# Allegro board SDHCalFEB20180110.brd (continued)
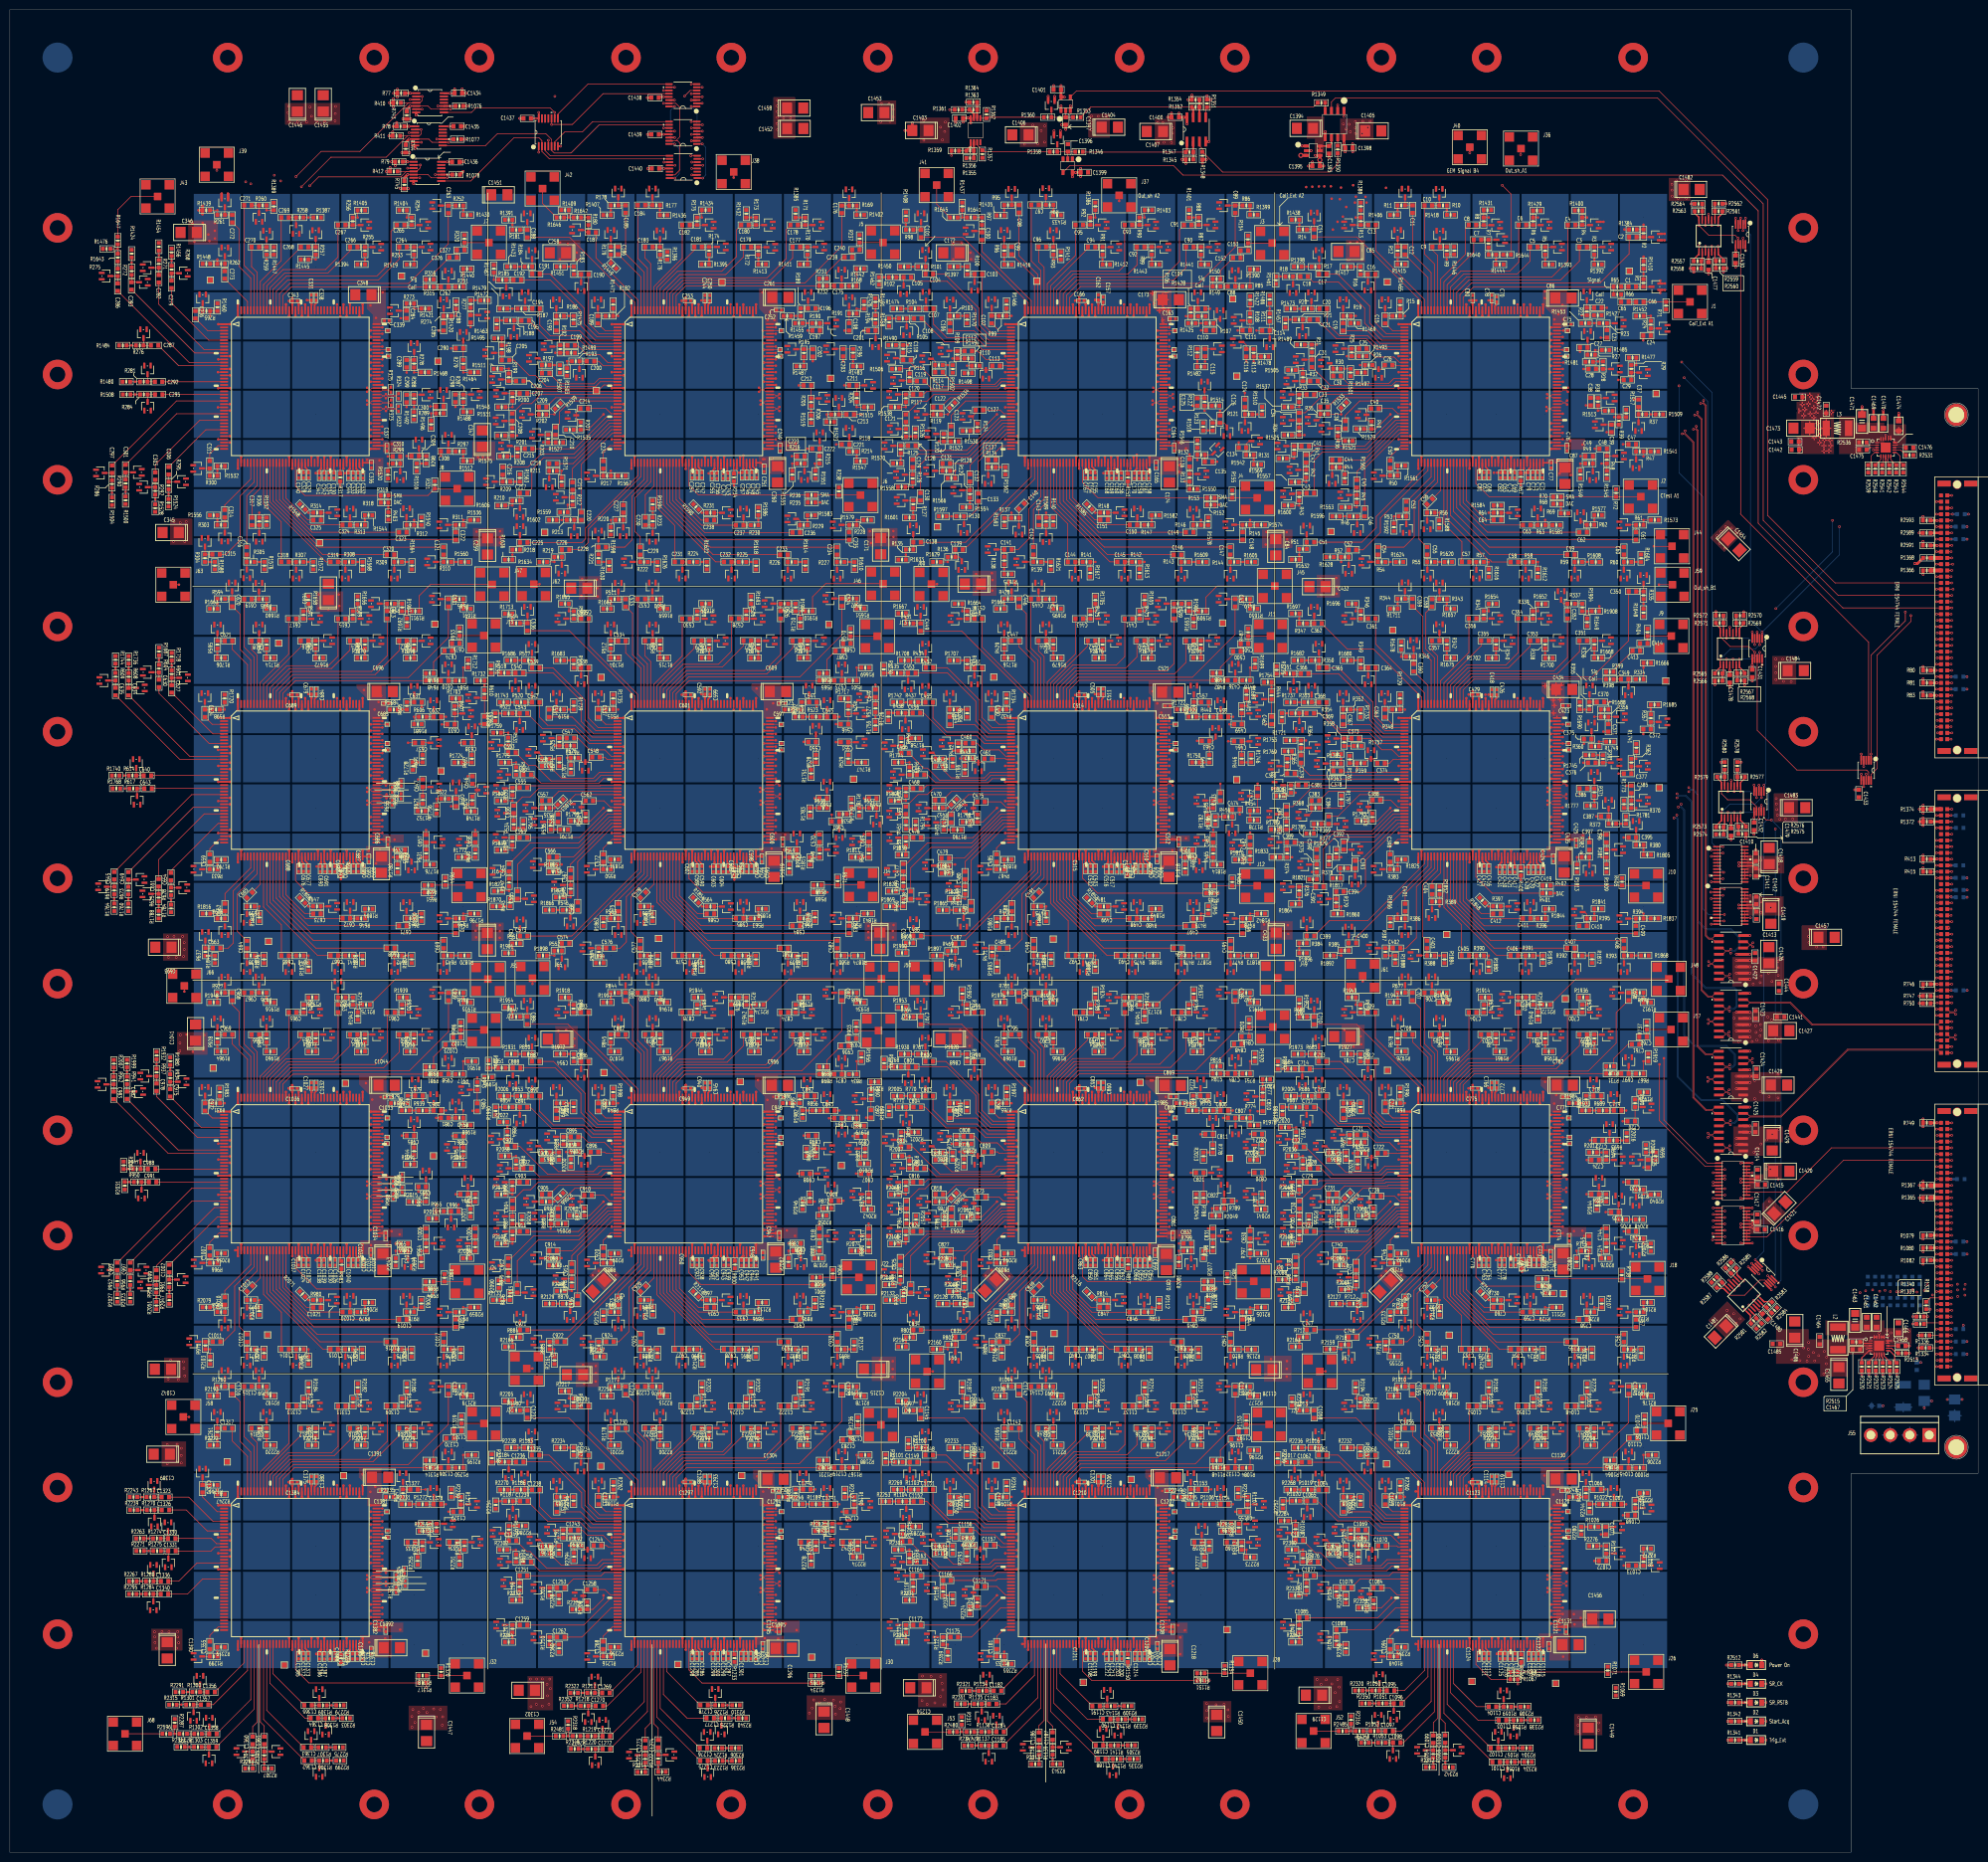
[diagram p0: board, top side]
## Placement (name value [footprint] x y rotation side) (continued)
U318  BAV99W SOT323  [BAV99W_SOT323]  308.2 179.74 0 top
U319  BAV99W SOT323  [BAV99W_SOT323]  318.21 179.74 0 top
U320  BAV99W SOT323  [BAV99W_SOT323]  328.24 179.74 0 top
U321  BAV99W SOT323  [BAV99W_SOT323]  328.18 189.72 270 top
U322  BAV99W SOT323  [BAV99W_SOT323]  318.96 191.04 270 top
U323  BAV99W SOT323  [BAV99W_SOT323]  309.2 192.21 180 top
U324  BAV99W SOT323  [BAV99W_SOT323]  305.63 192.2 90 top
U325  MICROROC  [CQFP160Z0650]  283.59 230.51 270 top
U326  BAV99W SOT323  [BAV99W_SOT323]  249.18 240.6 180 top
U327  BAV99W SOT323  [BAV99W_SOT323]  246.7 254.66 270 top
U328  BAV99W SOT323  [BAV99W_SOT323]  244.67 246.2 90 top
U329  BAV99W SOT323  [BAV99W_SOT323]  234.33 253.72 270 top
U330  BAV99W SOT323  [BAV99W_SOT323]  234.68 246.2 90 top
U331  BAV99W SOT323  [BAV99W_SOT323]  232.22 250.67 90 top
U332  BAV99W SOT323  [BAV99W_SOT323]  224.65 246.17 90 top
U333  BAV99W SOT323  [BAV99W_SOT323]  222.19 250.67 90 top
U334  BAV99W SOT323  [BAV99W_SOT323]  210.7 248.68 180 top
U335  BAV99W SOT323  [BAV99W_SOT323]  209.17 257.11 180 top
U336  BAV99W SOT323  [BAV99W_SOT323]  203.71 257.14 180 top
U337  BAV99W SOT323  [BAV99W_SOT323]  202.21 248.68 180 top
U338  BAV99W SOT323  [BAV99W_SOT323]  192.16 250.65 270 top
U339  BAV99W SOT323  [BAV99W_SOT323]  185.2 252.18 180 top
U340  BAV99W SOT323  [BAV99W_SOT323]  199.65 234.68 180 top
U341  BAV99W SOT323  [BAV99W_SOT323]  196.16 238.19 0 top
U342  BAV99W SOT323  [BAV99W_SOT323]  186.21 244.69 180 top
U343  BAV99W SOT323  [BAV99W_SOT323]  182.65 237.17 0 top
U344  BAV99W SOT323  [BAV99W_SOT323]  191.14 234.68 180 top
U345  BAV99W SOT323  [BAV99W_SOT323]  186.19 236.13 180 top
U346  BAV99W SOT323  [BAV99W_SOT323]  182.11 229.07 0 top
U347  BAV99W SOT323  [BAV99W_SOT323]  240.77 236.18 180 top
U348  BAV99W SOT323  [BAV99W_SOT323]  246.23 233.18 180 top
U349  BAV99W SOT323  [BAV99W_SOT323]  252.97 231.44 90 top
U350  BAV99W SOT323  [BAV99W_SOT323]  190.39 225.38 270 top
U351  BAV99W SOT323  [BAV99W_SOT323]  196.95 220.56 0 top
U352  BAV99W SOT323  [BAV99W_SOT323]  254.14 234.32 270 top
U353  BAV99W SOT323  [BAV99W_SOT323]  245.19 227.6 180 top
U354  BAV99W SOT323  [BAV99W_SOT323]  252.97 225.75 90 top
U355  BAV99W SOT323  [BAV99W_SOT323]  186.55 223.42 270 top
U356  BAV99W SOT323  [BAV99W_SOT323]  178.78 224.84 270 top
U357  BAV99W SOT323  [BAV99W_SOT323]  180.45 218.95 270 top
U358  BAV99W SOT323  [BAV99W_SOT323]  179.74 216.18 270 top
U359  BAV99W SOT323  [BAV99W_SOT323]  179.72 210.98 270 top
U360  BAV99W SOT323  [BAV99W_SOT323]  185.66 212.2 270 top
U361  BAV99W SOT323  [BAV99W_SOT323]  187.46 209.27 270 top
U362  BAV99W SOT323  [BAV99W_SOT323]  251.27 214.63 270 top
U363  BAV99W SOT323  [BAV99W_SOT323]  242.18 213.72 270 top
U364  BAV99W SOT323  [BAV99W_SOT323]  248.56 207.94 0 top
U365  BAV99W SOT323  [BAV99W_SOT323]  195.03 212.17 270 top
U366  BAV99W SOT323  [BAV99W_SOT323]  179.74 206.18 270 top
U367  BAV99W SOT323  [BAV99W_SOT323]  179.24 199.32 270 top
U368  BAV99W SOT323  [BAV99W_SOT323]  185.66 193.72 90 top
U369  BAV99W SOT323  [BAV99W_SOT323]  186.98 200.49 270 top
U370  BAV99W SOT323  [BAV99W_SOT323]  191.78 196.24 270 top
U371  BAV99W SOT323  [BAV99W_SOT323]  193.95 188.96 0 top
U372  BAV99W SOT323  [BAV99W_SOT323]  249.47 204.55 270 top
U373  BAV99W SOT323  [BAV99W_SOT323]  242.2 205.59 270 top
U374  BAV99W SOT323  [BAV99W_SOT323]  241.88 200.44 0 top
U375  BAV99W SOT323  [BAV99W_SOT323]  198.21 199.75 270 top
U376  BAV99W SOT323  [BAV99W_SOT323]  183.72 188.71 180 top
U377  BAV99W SOT323  [BAV99W_SOT323]  192.25 180.68 0 top
U378  BAV99W SOT323  [BAV99W_SOT323]  203.73 187.24 0 top
U379  BAV99W SOT323  [BAV99W_SOT323]  197.32 183.72 270 top
U380  BAV99W SOT323  [BAV99W_SOT323]  208.23 179.74 0 top
U381  BAV99W SOT323  [BAV99W_SOT323]  208.2 189.73 0 top
U382  BAV99W SOT323  [BAV99W_SOT323]  218.23 179.74 0 top
U383  BAV99W SOT323  [BAV99W_SOT323]  228.21 179.74 0 top
U384  BAV99W SOT323  [BAV99W_SOT323]  238.22 179.74 0 top
U385  BAV99W SOT323  [BAV99W_SOT323]  248.23 179.74 0 top
U386  BAV99W SOT323  [BAV99W_SOT323]  248.2 189.74 270 top
U387  BAV99W SOT323  [BAV99W_SOT323]  240.67 192.19 180 top
U388  BAV99W SOT323  [BAV99W_SOT323]  229.19 192.21 180 top
U389  BAV99W SOT323  [BAV99W_SOT323]  225.69 192.2 90 top
U390  MICROROC  [CQFP160Z0650]  203.58 230.51 270 top
U391  BAV99W SOT323  [BAV99W_SOT323]  169.19 240.53 180 top
U392  BAV99W SOT323  [BAV99W_SOT323]  166.74 254.77 270 top
U393  BAV99W SOT323  [BAV99W_SOT323]  164.66 246.17 90 top
U394  BAV99W SOT323  [BAV99W_SOT323]  154.34 253.72 270 top
U395  BAV99W SOT323  [BAV99W_SOT323]  154.67 246.17 90 top
U396  BAV99W SOT323  [BAV99W_SOT323]  152.21 250.67 90 top
U397  BAV99W SOT323  [BAV99W_SOT323]  144.67 246.17 90 top
U398  BAV99W SOT323  [BAV99W_SOT323]  142.2 250.67 90 top
U399  BAV99W SOT323  [BAV99W_SOT323]  130.71 248.63 180 top
U400  BAV99W SOT323  [BAV99W_SOT323]  130.66 257.14 180 top
U401  BAV99W SOT323  [BAV99W_SOT323]  123.73 257.09 180 top
U402  BAV99W SOT323  [BAV99W_SOT323]  122.2 248.63 180 top
U403  BAV99W SOT323  [BAV99W_SOT323]  112.23 250.68 270 top
U404  BAV99W SOT323  [BAV99W_SOT323]  105.26 252.21 180 top
U405  BAV99W SOT323  [BAV99W_SOT323]  119.66 234.66 180 top
U406  BAV99W SOT323  [BAV99W_SOT323]  116.15 238.24 0 top
U407  BAV99W SOT323  [BAV99W_SOT323]  106.18 244.64 180 top
U408  BAV99W SOT323  [BAV99W_SOT323]  102.82 237.17 0 top
U409  BAV99W SOT323  [BAV99W_SOT323]  111.15 234.68 180 top
U410  BAV99W SOT323  [BAV99W_SOT323]  106.2 236.16 180 top
U411  BAV99W SOT323  [BAV99W_SOT323]  103.68 228.94 0 top
U412  BAV99W SOT323  [BAV99W_SOT323]  162.54 236.18 180 top
U413  BAV99W SOT323  [BAV99W_SOT323]  166.2 233.21 180 top
U414  BAV99W SOT323  [BAV99W_SOT323]  172.96 231.42 90 top
U415  BAV99W SOT323  [BAV99W_SOT323]  109.26 226.39 270 top
U416  BAV99W SOT323  [BAV99W_SOT323]  117.01 220.66 0 top
U417  BAV99W SOT323  [BAV99W_SOT323]  173.57 234.75 270 top
U418  BAV99W SOT323  [BAV99W_SOT323]  163.91 228.03 180 top
U419  BAV99W SOT323  [BAV99W_SOT323]  172.94 225.57 90 top
U420  BAV99W SOT323  [BAV99W_SOT323]  106.34 223.47 270 top
U421  BAV99W SOT323  [BAV99W_SOT323]  98.82 224.95 270 top
U422  BAV99W SOT323  [BAV99W_SOT323]  100.5 218.98 270 top
U423  BAV99W SOT323  [BAV99W_SOT323]  99.76 216.18 270 top
U424  BAV99W SOT323  [BAV99W_SOT323]  100.01 211.15 270 top
U425  BAV99W SOT323  [BAV99W_SOT323]  105.73 212.2 270 top
U426  BAV99W SOT323  [BAV99W_SOT323]  107.53 209.38 270 top
U427  BAV99W SOT323  [BAV99W_SOT323]  176.22 209.74 0 top
U428  BAV99W SOT323  [BAV99W_SOT323]  166.15 216.67 180 top
U429  BAV99W SOT323  [BAV99W_SOT323]  168.65 207 0 top
U430  BAV99W SOT323  [BAV99W_SOT323]  115.35 212.37 270 top
U431  BAV99W SOT323  [BAV99W_SOT323]  99.71 206.2 270 top
U432  BAV99W SOT323  [BAV99W_SOT323]  99.05 199.32 270 top
U433  BAV99W SOT323  [BAV99W_SOT323]  105.68 193.75 90 top
U434  BAV99W SOT323  [BAV99W_SOT323]  107.23 200.71 270 top
U435  BAV99W SOT323  [BAV99W_SOT323]  111.57 196.55 270 top
U436  BAV99W SOT323  [BAV99W_SOT323]  113.97 189.01 0 top
U437  BAV99W SOT323  [BAV99W_SOT323]  172.15 205.34 270 top
U438  BAV99W SOT323  [BAV99W_SOT323]  167.12 203.73 90 top
U439  BAV99W SOT323  [BAV99W_SOT323]  160.02 206.13 180 top
U440  BAV99W SOT323  [BAV99W_SOT323]  118.22 199.75 270 top
U441  BAV99W SOT323  [BAV99W_SOT323]  103.74 188.66 180 top
U442  BAV99W SOT323  [BAV99W_SOT323]  112.24 180.71 0 top
U443  BAV99W SOT323  [BAV99W_SOT323]  123.72 187.26 0 top
U444  BAV99W SOT323  [BAV99W_SOT323]  117.31 183.72 270 top
U445  BAV99W SOT323  [BAV99W_SOT323]  128.19 179.74 0 top
U446  BAV99W SOT323  [BAV99W_SOT323]  128.24 189.73 0 top
U447  BAV99W SOT323  [BAV99W_SOT323]  138.22 179.77 0 top
U448  BAV99W SOT323  [BAV99W_SOT323]  148.23 179.74 0 top
U449  BAV99W SOT323  [BAV99W_SOT323]  158.21 179.72 0 top
U450  BAV99W SOT323  [BAV99W_SOT323]  168.22 179.74 0 top
U451  BAV99W SOT323  [BAV99W_SOT323]  168.24 189.77 270 top
U452  BAV99W SOT323  [BAV99W_SOT323]  160.68 192.21 180 top
U453  BAV99W SOT323  [BAV99W_SOT323]  149.18 192.24 180 top
U454  BAV99W SOT323  [BAV99W_SOT323]  145.71 192.17 90 top
U455  MICROROC  [CQFP160Z0650]  123.57 230.51 270 top
U456  BAV99W SOT323  [BAV99W_SOT323]  89.18 240.53 180 top
U457  BAV99W SOT323  [BAV99W_SOT323]  86.73 254.66 270 top
U458  BAV99W SOT323  [BAV99W_SOT323]  84.67 246.17 90 top
U459  BAV99W SOT323  [BAV99W_SOT323]  74.31 253.72 270 top
U460  BAV99W SOT323  [BAV99W_SOT323]  74.66 246.2 90 top
U461  BAV99W SOT323  [BAV99W_SOT323]  72.22 250.67 90 top
U462  BAV99W SOT323  [BAV99W_SOT323]  64.66 246.2 90 top
U463  BAV99W SOT323  [BAV99W_SOT323]  62.19 250.64 90 top
U464  BAV99W SOT323  [BAV99W_SOT323]  50.7 248.63 180 top
U465  BAV99W SOT323  [BAV99W_SOT323]  50.65 257.09 180 top
U466  BAV99W SOT323  [BAV99W_SOT323]  45.19 257.14 180 top
U467  BAV99W SOT323  [BAV99W_SOT323]  42.22 248.6 180 top
U470  BAV99W SOT323  [BAV99W_SOT323]  39.65 234.66 180 top
U473  BAV99W SOT323  [BAV99W_SOT323]  35.32 238.65 90 top
U476  BAV99W SOT323  [BAV99W_SOT323]  27.93 239.78 270 top
U477  BAV99W SOT323  [BAV99W_SOT323]  82.22 236.13 180 top
U478  BAV99W SOT323  [BAV99W_SOT323]  86.19 233.18 180 top
U479  BAV99W SOT323  [BAV99W_SOT323]  92.9 231.42 90 top
U480  BAV99W SOT323  [BAV99W_SOT323]  26.56 236.6 90 top
U481  BAV99W SOT323  [BAV99W_SOT323]  19.09 238.1 270 top
U482  BAV99W SOT323  [BAV99W_SOT323]  94.07 234.6 270 top
U483  BAV99W SOT323  [BAV99W_SOT323]  86.37 225.45 90 top
U484  BAV99W SOT323  [BAV99W_SOT323]  93.93 227.9 180 top
U486  BAV99W SOT323  [BAV99W_SOT323]  25.71 221.25 180 top
U489  BAV99W SOT323  [BAV99W_SOT323]  25.88 213.75 0 top
U491  BAV99W SOT323  [BAV99W_SOT323]  18.83 196.19 270 top
U492  BAV99W SOT323  [BAV99W_SOT323]  96 215.85 90 top
U493  BAV99W SOT323  [BAV99W_SOT323]  86.42 216.48 90 top
U494  BAV99W SOT323  [BAV99W_SOT323]  90.73 216.52 180 top
U495  BAV99W SOT323  [BAV99W_SOT323]  26.5 197.66 90 top
U497  BAV99W SOT323  [BAV99W_SOT323]  27.85 194.75 270 top
U500  BAV99W SOT323  [BAV99W_SOT323]  35.19 196.01 90 top
U502  BAV99W SOT323  [BAV99W_SOT323]  92.21 205.24 270 top
U503  BAV99W SOT323  [BAV99W_SOT323]  87.08 205.23 90 top
U504  BAV99W SOT323  [BAV99W_SOT323]  81.68 200.39 0 top
U505  BAV99W SOT323  [BAV99W_SOT323]  38.21 199.75 270 top
U508  BAV99W SOT323  [BAV99W_SOT323]  43.73 187.26 0 top
U509  BAV99W SOT323  [BAV99W_SOT323]  39.76 186.14 180 top
U510  BAV99W SOT323  [BAV99W_SOT323]  48.21 179.77 0 top
U511  BAV99W SOT323  [BAV99W_SOT323]  48.21 189.75 0 top
U512  BAV99W SOT323  [BAV99W_SOT323]  56.74 179.74 0 top
U513  BAV99W SOT323  [BAV99W_SOT323]  66.75 179.79 0 top
U514  BAV99W SOT323  [BAV99W_SOT323]  78.23 179.77 0 top
U515  BAV99W SOT323  [BAV99W_SOT323]  88.21 179.77 0 top
U516  BAV99W SOT323  [BAV99W_SOT323]  88.23 189.77 270 top
U517  BAV99W SOT323  [BAV99W_SOT323]  80.67 192.19 180 top
U518  BAV99W SOT323  [BAV99W_SOT323]  69.19 192.21 180 top
U519  BAV99W SOT323  [BAV99W_SOT323]  65.67 192.22 90 top
U520  MICROROC  [CQFP160Z0650]  43.56 230.51 270 top
U521  BAV99W SOT323  [BAV99W_SOT323]  329.19 160.67 180 top
U522  BAV99W SOT323  [BAV99W_SOT323]  326.73 174.65 270 top
U523  BAV99W SOT323  [BAV99W_SOT323]  324.65 166.14 90 top
U524  BAV99W SOT323  [BAV99W_SOT323]  322.24 170.66 90 top
U525  BAV99W SOT323  [BAV99W_SOT323]  314.64 166.16 90 top
U526  BAV99W SOT323  [BAV99W_SOT323]  304.33 173.74 270 top
U527  BAV99W SOT323  [BAV99W_SOT323]  304.63 166.16 90 top
U528  BAV99W SOT323  [BAV99W_SOT323]  302.2 170.68 90 top
U529  BAV99W SOT323  [BAV99W_SOT323]  290.71 168.64 180 top
U530  BAV99W SOT323  [BAV99W_SOT323]  289.18 177.1 180 top
U531  BAV99W SOT323  [BAV99W_SOT323]  283.72 177.1 180 top
U532  BAV99W SOT323  [BAV99W_SOT323]  282.22 168.62 180 top
U533  BAV99W SOT323  [BAV99W_SOT323]  272.2 170.67 270 top
U534  BAV99W SOT323  [BAV99W_SOT323]  265.23 172.2 180 top
U535  BAV99W SOT323  [BAV99W_SOT323]  279.68 154.65 180 top
U536  BAV99W SOT323  [BAV99W_SOT323]  276.14 158.23 0 top
U537  BAV99W SOT323  [BAV99W_SOT323]  266.17 164.63 180 top
U538  BAV99W SOT323  [BAV99W_SOT323]  262.81 156.73 0 top
U539  BAV99W SOT323  [BAV99W_SOT323]  271.2 154.62 180 top
U540  BAV99W SOT323  [BAV99W_SOT323]  266.2 156.1 180 top
U541  BAV99W SOT323  [BAV99W_SOT323]  263.7 148.96 0 top
U542  BAV99W SOT323  [BAV99W_SOT323]  322.03 156.15 180 top
U543  BAV99W SOT323  [BAV99W_SOT323]  326.19 153.17 180 top
U544  BAV99W SOT323  [BAV99W_SOT323]  332.93 151.43 90 top
U545  BAV99W SOT323  [BAV99W_SOT323]  270.01 145.77 270 top
U546  BAV99W SOT323  [BAV99W_SOT323]  276.88 140.27 0 top
U547  BAV99W SOT323  [BAV99W_SOT323]  325.3 147.08 180 top
U548  BAV99W SOT323  [BAV99W_SOT323]  327.09 140.69 90 top
U549  BAV99W SOT323  [BAV99W_SOT323]  330.7 140.69 270 top
U550  BAV99W SOT323  [BAV99W_SOT323]  266.43 143.46 270 top
U551  BAV99W SOT323  [BAV99W_SOT323]  258.94 144.89 270 top
U552  BAV99W SOT323  [BAV99W_SOT323]  260.52 138.99 270 top
U553  BAV99W SOT323  [BAV99W_SOT323]  259.78 136.17 270 top
U554  BAV99W SOT323  [BAV99W_SOT323]  259.8 129.29 270 top
U555  BAV99W SOT323  [BAV99W_SOT323]  265.75 132.21 270 top
U556  BAV99W SOT323  [BAV99W_SOT323]  267.7 129.24 270 top
U557  BAV99W SOT323  [BAV99W_SOT323]  330.68 132.25 0 top
U558  BAV99W SOT323  [BAV99W_SOT323]  323.14 136.16 180 top
U559  BAV99W SOT323  [BAV99W_SOT323]  327.16 132.55 180 top
U560  BAV99W SOT323  [BAV99W_SOT323]  275.5 132.08 270 top
U561  BAV99W SOT323  [BAV99W_SOT323]  259.78 126.17 270 top
U562  BAV99W SOT323  [BAV99W_SOT323]  259.02 119.38 270 top
U563  BAV99W SOT323  [BAV99W_SOT323]  259.25 113.72 270 top
U564  BAV99W SOT323  [BAV99W_SOT323]  267.27 120.7 270 top
U565  BAV99W SOT323  [BAV99W_SOT323]  271.29 116.81 270 top
U566  BAV99W SOT323  [BAV99W_SOT323]  273.99 109.05 0 top
U567  BAV99W SOT323  [BAV99W_SOT323]  330.68 122.21 0 top
U568  BAV99W SOT323  [BAV99W_SOT323]  327.09 123.72 90 top
U569  BAV99W SOT323  [BAV99W_SOT323]  321.1 119.77 0 top
U570  BAV99W SOT323  [BAV99W_SOT323]  278.27 119.74 270 top
U571  BAV99W SOT323  [BAV99W_SOT323]  263.73 108.62 180 top
U572  BAV99W SOT323  [BAV99W_SOT323]  272.23 100.72 0 top
U573  BAV99W SOT323  [BAV99W_SOT323]  283.71 107.33 0 top
U574  BAV99W SOT323  [BAV99W_SOT323]  277.36 103.74 270 top
U575  BAV99W SOT323  [BAV99W_SOT323]  288.24 99.76 0 top
U576  BAV99W SOT323  [BAV99W_SOT323]  288.24 109.74 0 top
U577  BAV99W SOT323  [BAV99W_SOT323]  296.74 99.76 0 top
U578  BAV99W SOT323  [BAV99W_SOT323]  306.75 99.78 0 top
U579  BAV99W SOT323  [BAV99W_SOT323]  318.23 99.78 0 top
U580  BAV99W SOT323  [BAV99W_SOT323]  328.21 99.78 0 top
U581  BAV99W SOT323  [BAV99W_SOT323]  328.23 109.76 270 top
U582  BAV99W SOT323  [BAV99W_SOT323]  320.68 112.18 180 top
U583  BAV99W SOT323  [BAV99W_SOT323]  309.17 112.18 180 top
U584  BAV99W SOT323  [BAV99W_SOT323]  305.63 112.19 90 top
U585  MICROROC  [CQFP160Z0650]  283.59 150.5 270 top
U586  BAV99W SOT323  [BAV99W_SOT323]  249.18 160.67 180 top
U587  BAV99W SOT323  [BAV99W_SOT323]  246.72 174.65 270 top
U588  BAV99W SOT323  [BAV99W_SOT323]  244.61 166.16 90 top
U589  BAV99W SOT323  [BAV99W_SOT323]  242.18 170.68 90 top
U590  BAV99W SOT323  [BAV99W_SOT323]  234.66 166.19 90 top
U591  BAV99W SOT323  [BAV99W_SOT323]  224.32 173.71 270 top
U592  BAV99W SOT323  [BAV99W_SOT323]  224.62 166.16 90 top
U593  BAV99W SOT323  [BAV99W_SOT323]  222.19 170.68 90 top
U594  BAV99W SOT323  [BAV99W_SOT323]  210.7 168.62 180 top
U595  BAV99W SOT323  [BAV99W_SOT323]  210.7 177.08 180 top
U596  BAV99W SOT323  [BAV99W_SOT323]  203.71 177.08 180 top
U597  BAV99W SOT323  [BAV99W_SOT323]  202.21 168.62 180 top
U598  BAV99W SOT323  [BAV99W_SOT323]  192.21 170.69 270 top
U599  BAV99W SOT323  [BAV99W_SOT323]  185.22 172.17 180 top
U600  BAV99W SOT323  [BAV99W_SOT323]  199.67 154.62 180 top
U601  BAV99W SOT323  [BAV99W_SOT323]  196.13 158.25 0 top
U602  BAV99W SOT323  [BAV99W_SOT323]  186.16 164.63 180 top
U603  BAV99W SOT323  [BAV99W_SOT323]  182.7 157.14 0 top
U604  BAV99W SOT323  [BAV99W_SOT323]  191.16 154.62 180 top
U605  BAV99W SOT323  [BAV99W_SOT323]  186.19 156.1 180 top
U606  BAV99W SOT323  [BAV99W_SOT323]  182.27 148.98 0 top
U607  BAV99W SOT323  [BAV99W_SOT323]  242.12 156.15 180 top
U608  BAV99W SOT323  [BAV99W_SOT323]  246.18 153.15 180 top
U609  BAV99W SOT323  [BAV99W_SOT323]  249.25 146.77 0 top
U610  BAV99W SOT323  [BAV99W_SOT323]  190.06 145.47 270 top
U611  BAV99W SOT323  [BAV99W_SOT323]  196.82 140.6 0 top
U612  BAV99W SOT323  [BAV99W_SOT323]  252.34 153.57 270 top
U613  BAV99W SOT323  [BAV99W_SOT323]  244.63 148.32 180 top
U614  BAV99W SOT323  [BAV99W_SOT323]  252.18 143.72 270 top
U615  BAV99W SOT323  [BAV99W_SOT323]  186.55 143.46 270 top
U616  BAV99W SOT323  [BAV99W_SOT323]  178.83 144.76 270 top
U617  BAV99W SOT323  [BAV99W_SOT323]  180.51 138.97 270 top
U618  BAV99W SOT323  [BAV99W_SOT323]  179.77 136.15 270 top
U619  BAV99W SOT323  [BAV99W_SOT323]  179.9 130.79 270 top
U620  BAV99W SOT323  [BAV99W_SOT323]  185.81 132.19 270 top
U621  BAV99W SOT323  [BAV99W_SOT323]  187.54 129.19 270 top
U622  BAV99W SOT323  [BAV99W_SOT323]  252.18 133.71 270 top
U623  BAV99W SOT323  [BAV99W_SOT323]  245.17 138.07 90 top
U624  BAV99W SOT323  [BAV99W_SOT323]  246.94 134.76 180 top
U625  BAV99W SOT323  [BAV99W_SOT323]  195.14 131.88 270 top
U626  BAV99W SOT323  [BAV99W_SOT323]  179.77 126.17 270 top
U627  BAV99W SOT323  [BAV99W_SOT323]  178.65 117.81 270 top
U628  BAV99W SOT323  [BAV99W_SOT323]  185.61 113.71 90 top
U629  BAV99W SOT323  [BAV99W_SOT323]  187.26 120.73 270 top
U630  BAV99W SOT323  [BAV99W_SOT323]  191.66 116.39 270 top
U631  BAV99W SOT323  [BAV99W_SOT323]  193.95 109.03 0 top
U632  BAV99W SOT323  [BAV99W_SOT323]  254.62 124.71 90 top
U633  BAV99W SOT323  [BAV99W_SOT323]  247.05 125.22 90 top
U634  BAV99W SOT323  [BAV99W_SOT323]  240.2 119.75 0 top
U635  BAV99W SOT323  [BAV99W_SOT323]  198.26 119.76 270 top
U636  BAV99W SOT323  [BAV99W_SOT323]  183.72 108.57 180 top
U637  BAV99W SOT323  [BAV99W_SOT323]  192.25 100.75 0 top
U638  BAV99W SOT323  [BAV99W_SOT323]  203.7 107.35 0 top
U639  BAV99W SOT323  [BAV99W_SOT323]  197.35 103.74 270 top
U640  BAV99W SOT323  [BAV99W_SOT323]  208.23 99.76 0 top
U641  BAV99W SOT323  [BAV99W_SOT323]  208.23 109.77 0 top
U642  BAV99W SOT323  [BAV99W_SOT323]  216.71 99.78 0 top
U643  BAV99W SOT323  [BAV99W_SOT323]  226.72 99.78 0 top
U644  BAV99W SOT323  [BAV99W_SOT323]  238.22 99.76 0 top
U645  BAV99W SOT323  [BAV99W_SOT323]  248.23 99.78 0 top
U646  BAV99W SOT323  [BAV99W_SOT323]  248.25 109.76 270 top
U647  BAV99W SOT323  [BAV99W_SOT323]  240.67 112.18 180 top
U648  BAV99W SOT323  [BAV99W_SOT323]  230.66 112.18 180 top
U649  BAV99W SOT323  [BAV99W_SOT323]  225.64 112.21 90 top
U650  MICROROC  [CQFP160Z0650]  203.58 150.5 270 top
U651  BAV99W SOT323  [BAV99W_SOT323]  169.19 160.52 180 top
U652  BAV99W SOT323  [BAV99W_SOT323]  166.74 174.65 270 top
U653  BAV99W SOT323  [BAV99W_SOT323]  164.63 166.16 90 top
U654  BAV99W SOT323  [BAV99W_SOT323]  162.22 170.68 90 top
U655  BAV99W SOT323  [BAV99W_SOT323]  154.62 166.19 90 top
U656  BAV99W SOT323  [BAV99W_SOT323]  144.31 173.71 270 top
U657  BAV99W SOT323  [BAV99W_SOT323]  144.61 166.16 90 top
U658  BAV99W SOT323  [BAV99W_SOT323]  142.18 170.68 90 top
U659  BAV99W SOT323  [BAV99W_SOT323]  130.71 168.62 180 top
U660  BAV99W SOT323  [BAV99W_SOT323]  130.66 177.08 180 top
U661  BAV99W SOT323  [BAV99W_SOT323]  125.2 177.08 180 top
U662  BAV99W SOT323  [BAV99W_SOT323]  123.7 168.59 180 top
U663  BAV99W SOT323  [BAV99W_SOT323]  112.2 170.69 270 top
U664  BAV99W SOT323  [BAV99W_SOT323]  105.21 172.2 180 top
U665  BAV99W SOT323  [BAV99W_SOT323]  119.69 154.62 180 top
U666  BAV99W SOT323  [BAV99W_SOT323]  116.15 158.25 0 top
U667  BAV99W SOT323  [BAV99W_SOT323]  106.18 164.63 180 top
U668  BAV99W SOT323  [BAV99W_SOT323]  102.28 156.96 0 top
U669  BAV99W SOT323  [BAV99W_SOT323]  111.15 154.62 180 top
U670  BAV99W SOT323  [BAV99W_SOT323]  106.2 156.1 180 top
U671  BAV99W SOT323  [BAV99W_SOT323]  103.7 148.96 0 top
U672  BAV99W SOT323  [BAV99W_SOT323]  162.13 156.15 180 top
U673  BAV99W SOT323  [BAV99W_SOT323]  166.2 153.15 180 top
U674  BAV99W SOT323  [BAV99W_SOT323]  169.19 146.72 0 top
U675  BAV99W SOT323  [BAV99W_SOT323]  110.15 145.37 270 top
U676  BAV99W SOT323  [BAV99W_SOT323]  116.86 140.6 0 top
U677  BAV99W SOT323  [BAV99W_SOT323]  172.68 153.12 270 top
U678  BAV99W SOT323  [BAV99W_SOT323]  166.33 142.97 90 top
U679  BAV99W SOT323  [BAV99W_SOT323]  171.46 142.98 270 top
U680  BAV99W SOT323  [BAV99W_SOT323]  106.57 143.49 270 top
U681  BAV99W SOT323  [BAV99W_SOT323]  98.74 144.91 270 top
U682  BAV99W SOT323  [BAV99W_SOT323]  100.52 138.97 270 top
U683  BAV99W SOT323  [BAV99W_SOT323]  99.76 136.15 270 top
U684  BAV99W SOT323  [BAV99W_SOT323]  99.78 129.21 270 top
U685  BAV99W SOT323  [BAV99W_SOT323]  105.83 132.21 270 top
U686  BAV99W SOT323  [BAV99W_SOT323]  107.56 129.24 270 top
U687  BAV99W SOT323  [BAV99W_SOT323]  172.22 133.71 270 top
U688  BAV99W SOT323  [BAV99W_SOT323]  165.14 137.89 90 top
U689  BAV99W SOT323  [BAV99W_SOT323]  167.03 134.81 180 top
U690  BAV99W SOT323  [BAV99W_SOT323]  115.13 132.19 270 top
U691  BAV99W SOT323  [BAV99W_SOT323]  99.81 126.14 270 top
U692  BAV99W SOT323  [BAV99W_SOT323]  98.92 119.21 270 top
U693  BAV99W SOT323  [BAV99W_SOT323]  105.6 113.71 90 top
U694  BAV99W SOT323  [BAV99W_SOT323]  107.3 120.7 270 top
U695  BAV99W SOT323  [BAV99W_SOT323]  111.85 116.54 270 top
U696  BAV99W SOT323  [BAV99W_SOT323]  113.94 109.05 0 top
U697  BAV99W SOT323  [BAV99W_SOT323]  172.2 125.23 270 top
U698  BAV99W SOT323  [BAV99W_SOT323]  167.04 125.22 90 top
U699  BAV99W SOT323  [BAV99W_SOT323]  160.83 119.77 0 top
U700  BAV99W SOT323  [BAV99W_SOT323]  118.25 119.74 270 top
U701  BAV99W SOT323  [BAV99W_SOT323]  103.74 108.55 180 top
U702  BAV99W SOT323  [BAV99W_SOT323]  107.35 103.74 270 top
U703  BAV99W SOT323  [BAV99W_SOT323]  123.72 107.33 0 top
U704  BAV99W SOT323  [BAV99W_SOT323]  117.34 103.74 270 top
U705  BAV99W SOT323  [BAV99W_SOT323]  128.24 99.78 0 top
U706  BAV99W SOT323  [BAV99W_SOT323]  128.24 109.79 0 top
U707  BAV99W SOT323  [BAV99W_SOT323]  136.75 99.78 0 top
U708  BAV99W SOT323  [BAV99W_SOT323]  146.73 99.78 0 top
U709  BAV99W SOT323  [BAV99W_SOT323]  158.24 99.78 0 top
U710  BAV99W SOT323  [BAV99W_SOT323]  168.27 99.78 0 top
U711  BAV99W SOT323  [BAV99W_SOT323]  168.24 109.76 270 top
U712  BAV99W SOT323  [BAV99W_SOT323]  160.68 112.2 180 top
U713  BAV99W SOT323  [BAV99W_SOT323]  149.18 112.18 180 top
U714  BAV99W SOT323  [BAV99W_SOT323]  145.66 112.19 90 top
U715  MICROROC  [CQFP160Z0650]  123.57 150.5 270 top
U716  BAV99W SOT323  [BAV99W_SOT323]  89.18 160.54 180 top
U717  BAV99W SOT323  [BAV99W_SOT323]  86.78 174.63 270 top
U718  BAV99W SOT323  [BAV99W_SOT323]  84.62 166.14 90 top
U719  BAV99W SOT323  [BAV99W_SOT323]  82.18 170.68 90 top
U720  BAV99W SOT323  [BAV99W_SOT323]  74.61 166.16 90 top
U721  BAV99W SOT323  [BAV99W_SOT323]  66.73 176.11 180 top
U722  BAV99W SOT323  [BAV99W_SOT323]  64.63 166.16 90 top
U723  BAV99W SOT323  [BAV99W_SOT323]  62.19 170.68 90 top
U724  BAV99W SOT323  [BAV99W_SOT323]  52.2 168.57 180 top
U725  BAV99W SOT323  [BAV99W_SOT323]  50.65 177.08 180 top
U726  BAV99W SOT323  [BAV99W_SOT323]  43.72 177.05 180 top
U727  BAV99W SOT323  [BAV99W_SOT323]  42.22 168.57 180 top
U730  BAV99W SOT323  [BAV99W_SOT323]  39.7 154.62 180 top
U733  BAV99W SOT323  [BAV99W_SOT323]  35.04 156.56 90 top
U736  BAV99W SOT323  [BAV99W_SOT323]  27.42 157.71 270 top
U737  BAV99W SOT323  [BAV99W_SOT323]  82.43 156.15 180 top
U738  BAV99W SOT323  [BAV99W_SOT323]  86.19 153.15 180 top
U739  BAV99W SOT323  [BAV99W_SOT323]  90.66 151.65 180 top
U740  BAV99W SOT323  [BAV99W_SOT323]  26.23 154.58 90 top
U741  BAV99W SOT323  [BAV99W_SOT323]  18.73 156.04 270 top
U742  BAV99W SOT323  [BAV99W_SOT323]  92.65 154.94 270 top
U743  BAV99W SOT323  [BAV99W_SOT323]  82.2 148.04 180 top
U744  BAV99W SOT323  [BAV99W_SOT323]  89.78 143.21 270 top
U746  BAV99W SOT323  [BAV99W_SOT323]  26.57 141.24 180 top
U749  BAV99W SOT323  [BAV99W_SOT323]  26.77 133.74 0 top
U751  BAV99W SOT323  [BAV99W_SOT323]  19.44 118.29 270 top
U752  BAV99W SOT323  [BAV99W_SOT323]  93.15 136.13 180 top
U753  BAV99W SOT323  [BAV99W_SOT323]  84.61 137.66 180 top
U754  BAV99W SOT323  [BAV99W_SOT323]  89.71 127.83 0 top
U755  BAV99W SOT323  [BAV99W_SOT323]  26.91 118.28 90 top
U757  BAV99W SOT323  [BAV99W_SOT323]  27.37 115.27 270 top
U760  BAV99W SOT323  [BAV99W_SOT323]  34.86 116.35 90 top
U762  BAV99W SOT323  [BAV99W_SOT323]  92.24 123.73 270 top
U763  BAV99W SOT323  [BAV99W_SOT323]  87.08 123.72 90 top
U764  BAV99W SOT323  [BAV99W_SOT323]  80.95 119.8 0 top
U765  BAV99W SOT323  [BAV99W_SOT323]  38.27 119.74 270 top
U768  BAV99W SOT323  [BAV99W_SOT323]  43.71 107.35 0 top
U769  BAV99W SOT323  [BAV99W_SOT323]  37.35 103.74 270 top
U770  BAV99W SOT323  [BAV99W_SOT323]  48.23 99.78 0 top
U771  BAV99W SOT323  [BAV99W_SOT323]  48.23 109.79 0 top
U772  BAV99W SOT323  [BAV99W_SOT323]  58.24 99.78 0 top
U773  BAV99W SOT323  [BAV99W_SOT323]  68.22 99.78 0 top
